# KiCad board mod-player.kicad_pcb
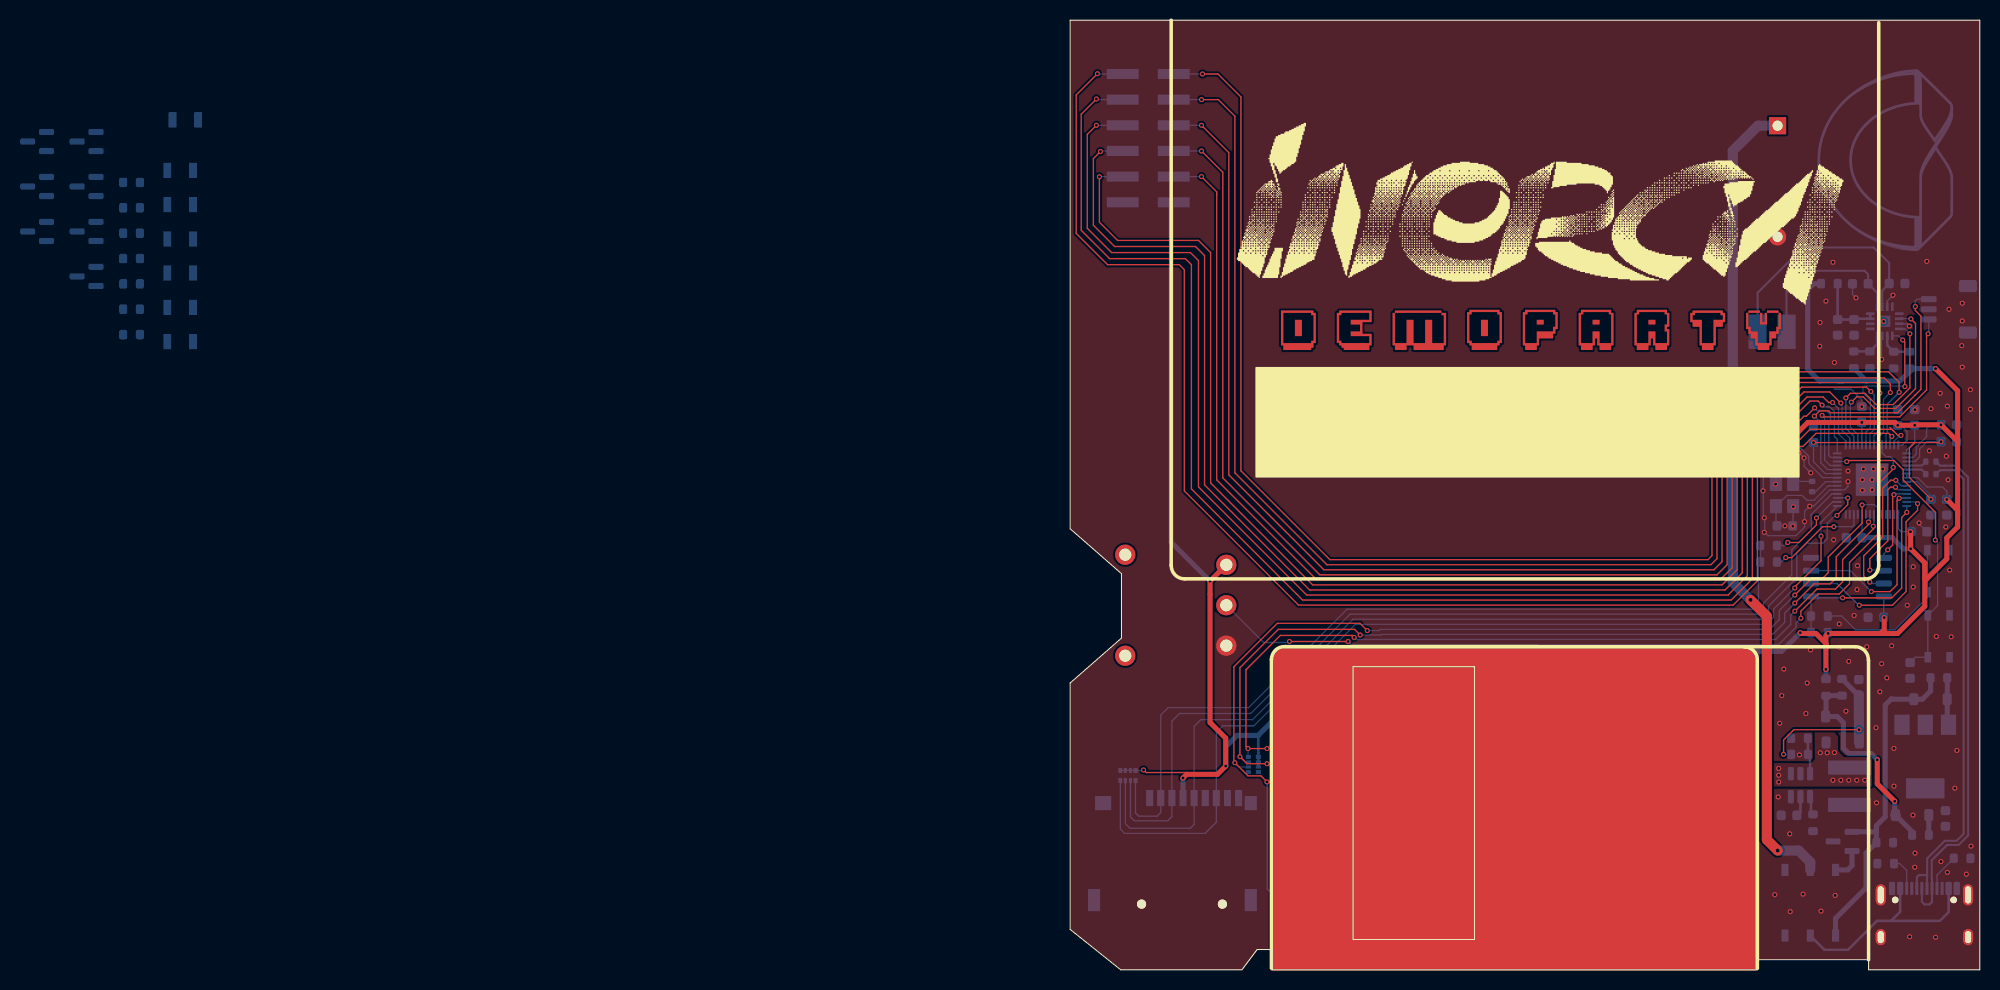
[diagram p0: board, top side]
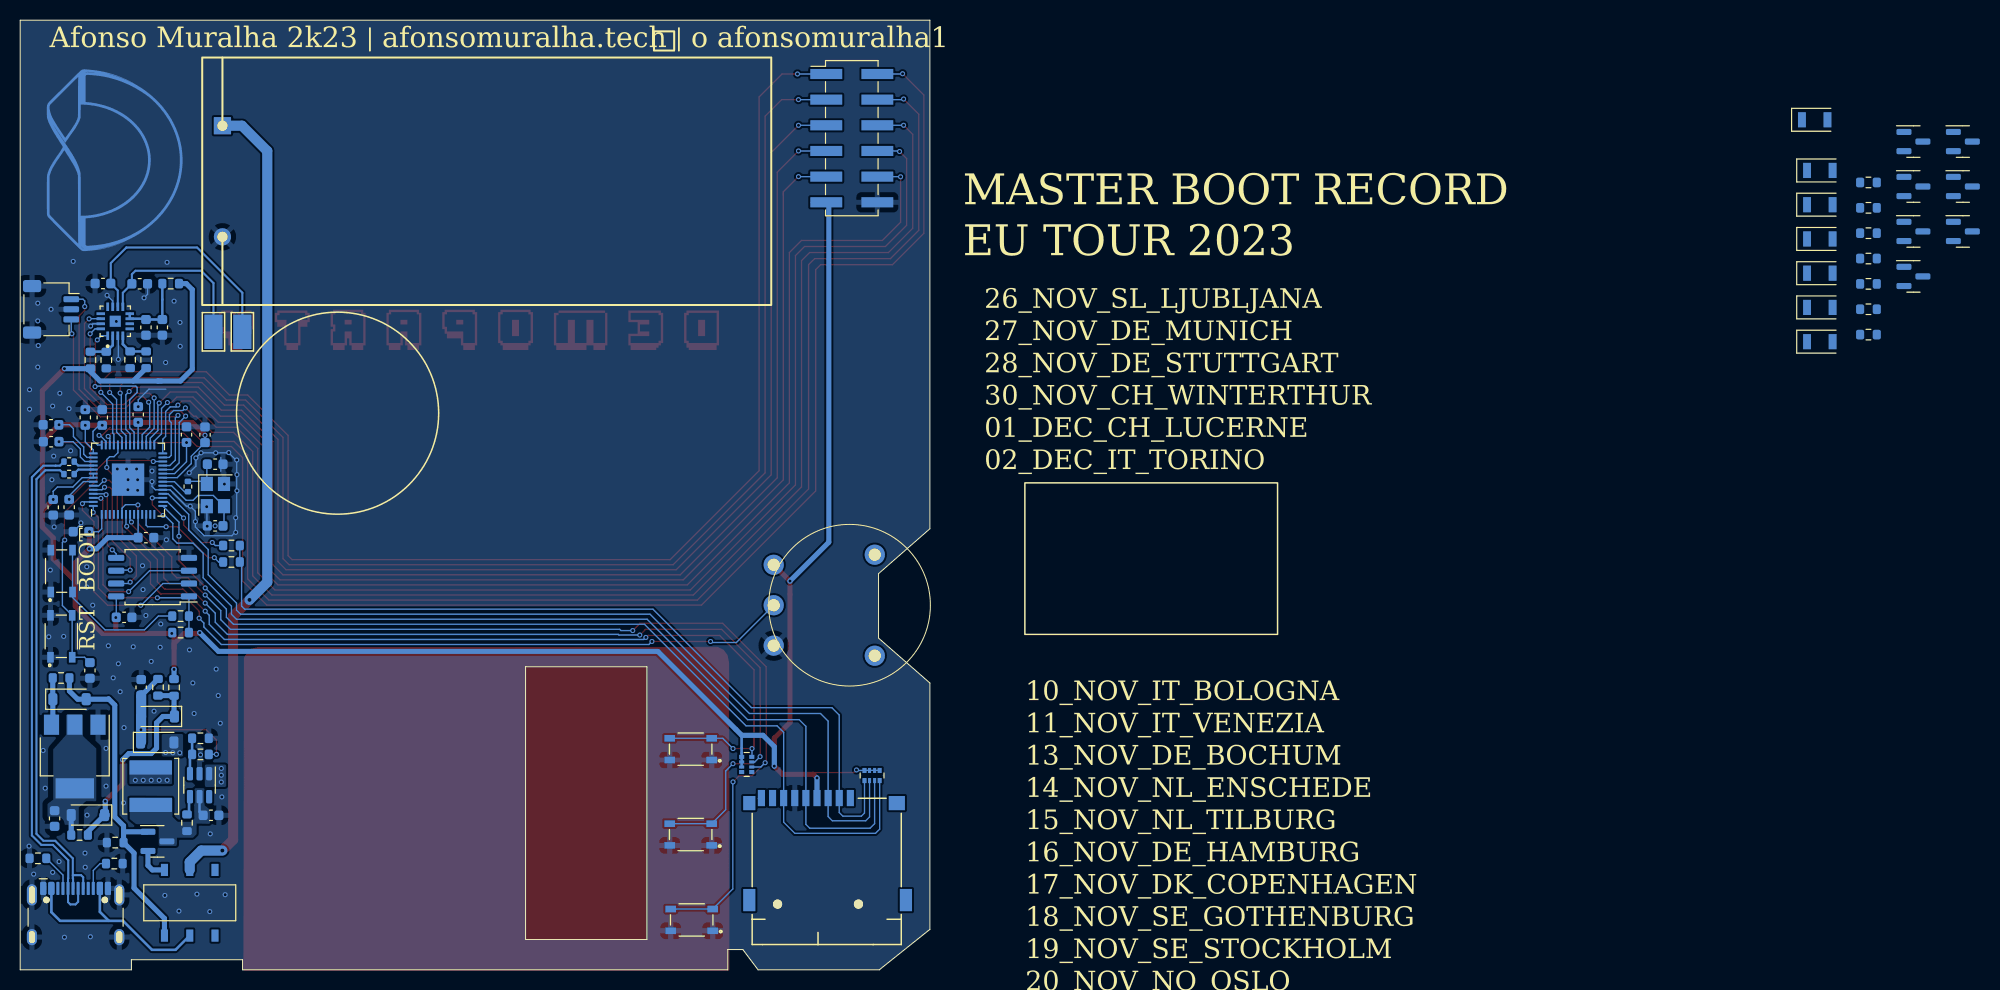
[diagram p1: board, bottom side, seen from below]

Outline 90 x 94 mm; copper layers: Top, In1.Cu, In2.Cu, Bottom. Coordinates in mm from the lower left corner of the outline.
Outline path: 0,43.66 0,94 90,94 90,0 79,0 79,1 68,1 68,0 20,0 20,2 18.5,2 17,0 5,0 0,4 0,28.39 5.08,32.84 5.08,39.21 0,43.66 ; 28,30 28,3 40,3 40,30 28,30
Stack: Top 0.035mm / dielectric 0.1mm FR4 er 4.5 / In1.Cu 0.035mm / dielectric 1.24mm FR4 er 4.5 / In2.Cu 0.035mm / dielectric 0.1mm FR4 er 4.5 / Bottom 0.035mm

## Placement (name value [footprint] x y rotation side)
BT1  Battery  [AAA-HOLDER-THD]  69.99 83.56 0 bottom
C1  28uF  [C_0603_1608Metric]  78.03 27.96 90 bottom
C2  28uF  [C_0603_1608Metric]  86.6 14.98 270 bottom
C3  100n  [C_0603_1608Metric]  85.16 45.8 270 bottom
C4  100n  [C_0603_1608Metric]  73.55 52.97 90 bottom
C5  1u  [C_0603_1608Metric]  86.94 52.28 0 bottom
C6  100n  [C_0603_1608Metric]  81.88 54.68 90 bottom
C7  100n  [C_0603_1608Metric]  83.56 54.68 90 bottom
C8  100n  [C_0603_1608Metric]  86.74 45.78 270 bottom
C9  100n  [C_0603_1608Metric]  77.56 42.78 180 bottom
C10  100n  [C_0603_1608Metric]  83.98 43.37 0 bottom
C11  100n  [C_0603_1608Metric]  71.72 52.96 90 bottom
C12  100n  [C_0603_1608Metric]  78.32 54.97 90 bottom
C13  1u  [C_0603_1608Metric]  86.95 53.95 0 bottom
C14  100n  [C_0603_1608Metric]  79.72 34.89 180 bottom
C15  27p  [C_0603_1608Metric]  70.72 43.94 180 bottom
C16  27p  [C_0603_1608Metric]  70.71 50.05 0 bottom
C17  100n  [C_0603_1608Metric]  83.1 29.63 270 bottom
C18  10u  [C_0603_1608Metric]  77.56 63.59 90 bottom
C19  100n  [C_0603_1608Metric]  75.94 63.59 90 bottom
C20  220p  [C_0603_1608Metric]  78.18 67.91 0 bottom
C21  220p  [C_0603_1608Metric]  81.82 67.94 180 bottom
C22  28uF  [C_0603_1608Metric]  71.12 15.29 180 bottom
D1  D_Schottky  [D_SOD-123]  76.44 22.5 180 bottom
D2  D_Schottky  [D_SOD-123]  83.31 15.32 0 bottom
D3  D_Schottky  [D_SOD-123]  76.39 25.08 0 bottom
D4  LED  [1206_reverse_xinglight]  -87.54 84.14 180 bottom
D5  LED  [1206_reverse_xinglight]  -88.05 79.13 180 bottom
D6  LED  [1206_reverse_xinglight]  -88.05 75.74 180 bottom
D7  LED  [1206_reverse_xinglight]  -88.05 72.35 180 bottom
D8  LED  [1206_reverse_xinglight]  -88.05 68.96 180 bottom
D9  LED  [1206_reverse_xinglight]  -88.05 65.57 180 bottom
D10  LED  [1206_reverse_xinglight]  -88.05 62.18 180 bottom
D15  D_Schottky  [D_SOD-123]  85.12 26.78 180 bottom
G***  LOGO  [mbr7]  -44.9 148.57 0 top
G***#2  LOGO  [inercia_full1]  47.6 74.3 0 top
J1  USB_C_Receptacle_USB2.0  [USB_C_Receptacle_HCTL_HC-TYPE-C-16P-01A]  84.52 4.31 180 bottom
J2  Micro_SD_Card_Det1  [J_sd_micro_socket]  11.08 9.98 0 bottom
J3  Conn_01x03_MountingPin  [JST_SH_SM03B-SRSS-TB_1x03-1MP_P1.00mm_Horizontal]  86.95 65.38 270 bottom
J4  Conn_01x01_Pin  [TestPoint_Keystone_5015_Micro-Minature]  70.88 63.16 90 bottom
J5  Conn_01x01_Pin  [TestPoint_Keystone_5015_Micro-Minature]  68.02 63.16 90 bottom
J7  Conn_02x06_Odd_Even  [PinHeader_2x06_P2.54mm_Vertical_SMD]  7.72 82.33 180 bottom
L1  22uH  [L_Changjiang_FNR5040S]  77.09 18.17 90 bottom
Q1  NMOS  [SOT-23]  -97.31 81.99 180 bottom
Q2  AO3401A  [SOT-23]  76.42 12.71 180 bottom
Q3  NMOS  [SOT-23]  -97.31 77.54 180 bottom
Q4  NMOS  [SOT-23]  -97.31 73.09 180 bottom
Q5  NMOS  [SOT-23]  -97.31 68.64 180 bottom
Q6  NMOS  [SOT-23]  -102.2 81.99 180 bottom
Q7  NMOS  [SOT-23]  -102.2 77.54 180 bottom
Q8  NMOS  [SOT-23]  -102.2 73.09 180 bottom
R1  11.5k  [R_0603_1608Metric]  72.17 21.32 0 bottom
R2  2.55k  [R_0603_1608Metric]  72.17 22.92 180 bottom
R3  R  [R_0603_1608Metric]  73.5 14.56 90 bottom
R5  10k  [R_0603_1608Metric]  80.6 12.59 0 bottom
R6  5.1k  [R_0603_1608Metric]  80.69 10.51 180 bottom
R7  5.1k  [R_0603_1608Metric]  88.25 11.04 0 bottom
R8  DNI  [R_0603_1608Metric]  74.13 33.38 180 bottom
R9  1k  [R_0603_1608Metric]  74.13 35.01 180 bottom
R10  1k  [R_0402_1005Metric]  73.41 47.84 270 bottom
R11  27.4  [R_0402_1005Metric]  85.16 49.07 180 bottom
R12  27.4  [R_0402_1005Metric]  85.16 50.3 180 bottom
R13  DNI  [R_0603_1608Metric]  69.1 40.37 180 bottom
R14  DNI  [R_0603_1608Metric]  69.1 42 180 bottom
R18  0  [R_0603_1608Metric]  76.37 27.97 270 bottom
R19  0  [R_0603_1608Metric]  79.13 60.39 90 bottom
R20  0  [R_0603_1608Metric]  84.13 13.34 180 bottom
R21  1M  [R_0603_1608Metric]  77.54 60.39 90 bottom
R22  0  [R_0603_1608Metric]  83.05 60.36 90 bottom
R23  0  [R_0603_1608Metric]  81.48 60.36 90 bottom
R24  0  [R_0603_1608Metric]  74.78 27.95 90 bottom
R25  1k  [R_0603_1608Metric]  -92.86 77.94 180 bottom
R26  1k  [R_0603_1608Metric]  -92.86 75.43 180 bottom
R27  1k  [R_0603_1608Metric]  -92.86 72.92 180 bottom
R28  1k  [R_0603_1608Metric]  -92.86 70.41 180 bottom
R29  1k  [R_0603_1608Metric]  -92.86 67.9 180 bottom
R30  1k  [R_0603_1608Metric]  -92.86 65.39 180 bottom
R31  1k  [R_0603_1608Metric]  -92.86 62.88 180 bottom
R33  0  [R_0603_1608Metric]  85.96 28.89 0 bottom
R53  0  [R_0603_1608Metric]  75.11 67.93 180 bottom
REF**  -  [demoparty2_sm]  46.4 64.2 0 top
REF**#2  -  [demoparty2_cu]  46.5 64.2 0 top
REF**#3  -  [id_logo1_sm]  81.8 80 180 bottom
REF**#4  -  [id_logo1_cu]  82.03 80.5 180 bottom
RN1  4x1k  [R_Array_Convex_4x0402]  5.72 19.23 270 bottom
RN2  R_Pack04_Split  [R_Array_Convex_4x0402]  18.12 20.33 180 bottom
RV1  R_Potentiometer  [gear-dial-pot-3pin]  7.95 36.09 270 bottom
SW2  SW_MEC_5E  [SW_SKRPACE010]  85.93 33.01 90 bottom
SW3  SW_MEC_5E  [SW_SKRPACE010]  85.9 39.47 90 bottom
SW4  SW_MEC_5E  [SW_SKRPACE010]  23.57 4.94 0 bottom
SW5  SW_MEC_5E  [SW_SKRPACE010]  23.67 21.84 0 bottom
SW6  SW_MEC_5E  [SW_SKRPACE010]  23.67 13.39 0 bottom
SW7  SW_Push_DPDT  [SS-3235S-L2]  73.23 6.63 0 bottom
U1  RP2040  [QFN-56-1EP_7x7mm_P0.4mm_EP3.2x3.2mm]  79.33 48.52 90 bottom
U2  MT3608  [SOT-23-6]  72.26 18.27 270 bottom
U3  AMS1117-3.3  [SOT-223-3_TabPin2]  84.6 21.11 270 bottom
U4  W25Q32JVSS  [SOIC-8_5.23x5.23mm_P1.27mm]  76.9 38.87 0 bottom
U5  MAX98357AETE_T  [QFN50P300X300X80-17N]  80.6 64.2 90 bottom
Y1  12MHZ  [Crystal_SMD_3225-4Pin_3.2x2.5mm]  70.69 46.99 270 bottom

## Library data of the parts
BT1 = -: Description: Multiple-cell battery
C1-C22 = -: Description: Unpolarized capacitor, small symbol
D1-D3 D15 = -: Description: Schottky diode
D4-D10 = -: Description: Light emitting diode
J1 = -: Description: USB 2.0-only Type-C Receptacle connector
J2 = -: Description: Micro SD Card Socket with one card detection pin
J3 = -: Description: Generic connectable mounting pin connector, single row, 01x03, script generated (kicad-library-utils/schlib/autogen/connector/)
J4 J5 = -: Description: Generic connector, single row, 01x01, script generated
J7 = -: Description: Generic connector, double row, 02x06, odd/even pin numbering scheme (row 1 odd numbers, row 2 even numbers), script generated (kicad-library-utils/schlib/autogen/connector/)
L1 = -: Description: Inductor
Q1 Q3-Q8 = -: Description: N-MOSFET transistor, drain/source/gate; Sim.Pins: 1=D 2=G 3=S; Sim.Type: VDMOS
Q2 = -: Description: -4.0A Id, -30V Vds, P-Channel MOSFET, SOT-23
R1-R3 R5-R14 R18-R31 R33 R53 = -: Description: Resistor
RN1 = -: Description: 4 resistor network, parallel topology
RN2 = -: Description: 4 resistor network, parallel topology, split
RV1 = -: Description: Potentiometer
SW2-SW6 = -: Description: MEC 5E single pole normally-open tactile switch
SW7 = -: Description: Momentary Switch, dual pole double throw
U1 = -: Description: A microcontroller by Raspberry Pi
U2 = -: Description: High Efficiency 1.2MHz 2A Step Up Converter, 2-24V Vin, 28V Vout, 4A current limit, 1.2MHz, SOT23-6
U3 = -: Description: 1A Low Dropout regulator, positive, 3.3V fixed output, SOT-223
U4 = -: Description: 32Mb Serial Flash Memory, Standard/Dual/Quad SPI, SOIC-8
U5 = -: Description: Tiny, Low-Cost, PCM Class D Amplifier with Class AB Performance; Availability: In Stock; Check_prices: https://www.snapeda.com/parts/MAX98357AETE+T/Analog+Devices/view-part/?ref=eda; MF: Analog Devices; MP: MAX98357AETE+T; Package: TQFN-16 Maxim; Price: None; Purchase-URL: https://www.snapeda.com/api/url_track_click_mouser/?unipart_id=48842&manufacturer=Analog Devices&part_name=MAX98357AETE+T&search_term=max98357; SnapEDA_Link: https://www.snapeda.com/parts/MAX98357AETE+T/Analog+Devices/view-part/?ref=snap
Y1 = -: Description: Four pin crystal, GND on pins 2 and 4, small symbol

## Footprints (pads in the part's own frame, mm; a bottom-side part is the same pattern mirrored in y, then rotated)
1206_reverse_xinglight
  rect 0.78x1.5 smd: 1(-1.265,0) 2(1.265,0)
AAA-HOLDER-THD
  rect 1.7x1.7 hole 1: 1(0,0)
  round 1.7 hole 1: 2(0,11)
C_0603_1608Metric
  rrect 0.9x0.95 smd: 1(-0.775,0) 2(0.775,0)
Crystal_SMD_3225-4Pin_3.2x2.5mm
  rect 1.4x1.2 smd: 1(-1.1,-0.85) 2(1.1,-0.85) 3(1.1,0.85) 4(-1.1,0.85)
D_SOD-123
  rrect 0.9x1.2 smd: 1(-1.65,0) 2(1.65,0)
gear-dial-pot-3pin
  round 2 hole 1.2: (-5,2.5) (5,2.5) 1(-4,-7.5) 2(0,-7.5) 3(4,-7.5)
J_sd_micro_socket
  round 0.9 hole 0.9 unplated: (-4.015,3.478) (3.985,3.478)
  rect 0.7x1.6 smd: 1(-3.215,-7.022) 2(-2.115,-7.022) 3(-1.015,-7.022) 4(0.085,-7.022) 5(1.185,-7.022) 6(2.285,-7.022) 7(3.385,-7.022) 8(4.485,-7.022) 9(5.585,-7.022)
  rect 1.2x2.2 smd: SH(-8.715,3.078) SH(6.785,3.078)
  rect 1.6x1.4 smd: SH(-7.815,-6.522)
  rect 1.2x1.4 smd: SH(6.785,-6.522)
JST_SH_SM03B-SRSS-TB_1x03-1MP_P1.00mm_Horizontal
  rrect 0.6x1.55 smd: 1(-1,2) 2(0,2) 3(1,2)
  rrect 1.2x1.8 smd: MP(-2.3,-1.875) MP(2.3,-1.875)
L_Changjiang_FNR5040S
  rect 1.4x4.2 smd: 1(-1.85,0) 2(1.85,0)
PinHeader_2x06_P2.54mm_Vertical_SMD
  rect 3.15x1 smd: 1(-2.525,6.35) 2(2.525,6.35) 3(-2.525,3.81) 4(2.525,3.81) 5(-2.525,1.27) 6(2.525,1.27) 7(-2.525,-1.27) 8(2.525,-1.27) 9(-2.525,-3.81) 10(2.525,-3.81) 11(-2.525,-6.35) 12(2.525,-6.35)
QFN50P300X300X80-17N
  rrect 0.84x0.27 smd: 1(-1.435,0.75) 2(-1.435,0.25) 3(-1.435,-0.25) 4(-1.435,-0.75) 9(1.435,-0.75) 10(1.435,-0.25) 11(1.435,0.25) 12(1.435,0.75)
  rrect 0.27x0.84 smd: 5(-0.75,-1.435) 6(-0.25,-1.435) 7(0.25,-1.435) 8(0.75,-1.435) 13(0.75,1.435) 14(0.25,1.435) 15(-0.25,1.435) 16(-0.75,1.435)
  rect 1.1x1.1 smd: 17(0,0)
QFN-56-1EP_7x7mm_P0.4mm_EP3.2x3.2mm
  rrect 1.29x1.29 smd: (-0.8,-0.8) (-0.8,0.8) (0.8,-0.8) (0.8,0.8)
  rrect 0.875x0.2 smd: 1(-3.438,2.6) 2(-3.438,2.2) 3(-3.438,1.8) 4(-3.438,1.4) 5(-3.438,1) 6(-3.438,0.6) 7(-3.438,0.2) 8(-3.438,-0.2) 9(-3.438,-0.6) 10(-3.438,-1) 11(-3.438,-1.4) 12(-3.438,-1.8) 13(-3.438,-2.2) 14(-3.438,-2.6) 29(3.438,-2.6) 30(3.438,-2.2) 31(3.438,-1.8) 32(3.438,-1.4) 33(3.438,-1) 34(3.438,-0.6) 35(3.438,-0.2) 36(3.438,0.2) 37(3.438,0.6) 38(3.438,1) 39(3.438,1.4) 40(3.438,1.8) 41(3.438,2.2) 42(3.438,2.6)
  rrect 0.2x0.875 smd: 15(-2.6,-3.438) 16(-2.2,-3.438) 17(-1.8,-3.438) 18(-1.4,-3.438) 19(-1,-3.438) 20(-0.6,-3.438) 21(-0.2,-3.438) 22(0.2,-3.438) 23(0.6,-3.438) 24(1,-3.438) 25(1.4,-3.438) 26(1.8,-3.438) 27(2.2,-3.438) 28(2.6,-3.438) 43(2.6,3.438) 44(2.2,3.438) 45(1.8,3.438) 46(1.4,3.438) 47(1,3.438) 48(0.6,3.438) 49(0.2,3.438) 50(-0.2,3.438) 51(-0.6,3.438) 52(-1,3.438) 53(-1.4,3.438) 54(-1.8,3.438) 55(-2.2,3.438) 56(-2.6,3.438)
  rect 3.2x3.2 smd: 57(0,0)
R_0402_1005Metric
  rrect 0.54x0.64 smd: 1(-0.51,0) 2(0.51,0)
R_0603_1608Metric
  rrect 0.8x0.95 smd: 1(-0.825,0) 2(0.825,0)
R_Array_Convex_4x0402
  rect 0.5x0.4 smd: 1(-0.5,0.75) 4(-0.5,-0.75) 5(0.5,-0.75) 8(0.5,0.75)
  rect 0.5x0.3 smd: 2(-0.5,0.25) 3(-0.5,-0.25) 6(0.5,-0.25) 7(0.5,0.25)
SOIC-8_5.23x5.23mm_P1.27mm
  rrect 1.6x0.6 smd: 1(-3.6,1.905) 2(-3.6,0.635) 3(-3.6,-0.635) 4(-3.6,-1.905) 5(3.6,-1.905) 6(3.6,-0.635) 7(3.6,0.635) 8(3.6,1.905)
SOT-23
  rrect 1.475x0.6 smd: 1(-0.938,0.95) 2(-0.938,-0.95) 3(0.938,0)
SOT-23-6
  rrect 1.325x0.6 smd: 1(-1.137,0.95) 2(-1.137,0) 3(-1.137,-0.95) 4(1.137,-0.95) 5(1.137,0) 6(1.137,0.95)
SOT-223-3_TabPin2
  rect 2x1.5 smd: 1(-3.15,2.3) 2(-3.15,0) 3(-3.15,-2.3)
  rect 2x3.8 smd: 2(3.15,0)
SS-3235S-L2
  rect 0.7x1.2 smd: 1(-2.5,3.25) 2(0,3.25) 3(2.5,3.25) 4(-2.5,-3.25) 5(0,-3.25) 6(2.5,-3.25)
SW_SKRPACE010
  rect 1.05x0.65 smd: 1(-2.075,1.075) 2(2.075,1.075) 3(-2.075,-1.075) 4(2.075,-1.075)
TestPoint_Keystone_5015_Micro-Minature
  rect 3.4x1.8 smd: 1(0,0)
USB_C_Receptacle_HCTL_HC-TYPE-C-16P-01A
  round 0.65 hole 0.65 unplated: (-2.89,2.605) (2.89,2.605)
  rrect 0.6x1.3 smd: A1(-3.2,3.745) A4(-2.4,3.745) A9(2.4,3.745) A12(3.2,3.745) B1(3.2,3.745) B4(2.4,3.745) B9(-2.4,3.745) B12(-3.2,3.745)
  rrect 0.3x1.3 smd: A5(-1.25,3.745) A6(-0.25,3.745) A7(0.25,3.745) A8(1.25,3.745) B5(1.75,3.745) B6(0.75,3.745) B7(-0.75,3.745) B8(-1.75,3.745)
  oval 1x1.6 hole 0.6x1.2: S1(-4.32,-1.075) S1(4.32,-1.075)
  oval 1x2.1 hole 0.6x1.7: S1(-4.32,3.105) S1(4.32,3.105)

## Nets
+1V1: C3.1 C4.1 C5.1 U1.23 U1.45 U1.50
+3V3: C6.1 C7.1 C8.1 C9.1 C10.1 C11.1 C12.1 C13.1 C14.1 J2.4 J7.11 R8.1 R21.1 R22.1 R24.2 R25.1 R26.1 R27.1 R28.1 R29.1 R30.1 R31.1 R53.2 RN1.1 RN1.2 RN1.3 RN1.4 RN2.1 RN2.2 RN2.3 RV1.1 U1.1 U1.10 U1.22 U1.33 U1.42 U1.43 U1.44 U1.48 U1.49 U4.8
+5V: D15.1 R33.2 U3.3
/3v3_boost: C1.1 D1.1 D3.2 R1.1 R18.1
/3v3_ldo: C2.1 D2.2 R20.1 U3.2
/VBAT_IN: BT1.1 SW7.5
/VBUS_IN: J1.A4 J1.A9 J1.B4 J1.B9 SW7.2
GND: BT1.2 C1.2 C2.2 C3.2 C4.2 C5.2 C6.2 C7.2 C8.2 C9.2 C10.2 C11.2 C12.2 C13.2 C14.2 C15.1 C16.1 C17.2 C18.1 C19.1 C20.1 C21.1 C22.2 J1.A1 J1.A12 J1.B1 J1.B12 J1.S1 J2.6 J3.2 J3.MP J7.12 Q1.3 Q3.3 Q4.3 Q5.3 Q6.3 Q7.3 Q8.3 R2.2 R5.2 R6.2 R7.2 R19.1 R23.1 RV1.3 SW2.1 SW2.2 SW3.1 SW3.2 SW4.1 SW4.2 SW5.1 SW5.2 SW6.1 SW6.2 U1.19 U1.57 U2.2 U3.1 U4.4 U5.3 U5.11 U5.15 Y1.2 Y1.4
VBUS: D15.2 Q2.1 R5.1 R33.1 SW7.3
+BATT: Q2.2 SW7.6
/GAIN: R22.2 R23.2 U5.2
/GP16: J7.6 U1.27
/GP17: J7.8 U1.28
/GP18: J7.10 U1.29
/GP19: J7.9 U1.30
/GP23: J7.7 U1.35
/GP24: J7.5 U1.36
/GP25: J7.3 U1.37
/GP27: J7.1 U1.39
/GP28: J7.2 U1.40
/GP29: J7.4 U1.41
/I2S_BCLK: U1.31 U5.16
/I2S_DIN: U1.34 U5.1
/I2S_LRC: U1.32 U5.14
/MCU_SWCLK: J3.1 U1.24
/MCU_SWD: J3.3 U1.25
/QSPI_SCLK: U1.52 U4.6
/QSPI_SD0: U1.53 U4.5
/QSPI_SD1: U1.55 U4.2
/QSPI_SD2: U1.54 U4.3
/QSPI_SD3: U1.51 U4.7
/QSPI_SS: R8.2 R9.2 U1.56 U4.1
/RUN: C17.1 SW2.3 SW2.4 U1.26
/SD_DET: J2.9
/SD_MODE: R19.2 R21.2 U5.4
/SPI_1_CS: J2.2 R13.2 R14.2 RN1.5
/SPI_1_MISO: J2.7 RN1.8 U1.15
/SPI_1_MOSI: J2.3 RN1.6 U1.18
/SPI_1_SCK: J2.5 RN1.7 U1.17
/SPK_OUT_N: C21.2 J5.1 U5.10
/SPK_OUT_P: C20.2 J4.1 U5.9
/SW1: RN2.6 SW4.3 SW4.4 U1.6
/SW2: RN2.8 SW5.3 SW5.4 U1.7
/SW3: RN2.7 SW6.3 SW6.4 U1.8
/SW4: U1.9
/USB_D_N: J1.A7 J1.B7 R12.1
/USB_D_P: J1.A6 J1.B6 R11.1
/WS_DIN: U1.5
/~{USB_BOOT}: R9.1 SW3.3 SW3.4
Net-(C16-Pad2): C16.2 R10.1 Y1.1
Net-(C18-Pad2): C18.2 C19.2 R53.1 U5.7 U5.8
Net-(D1-A): D1.2 L1.2 U2.1
Net-(D2-K): D2.1 D3.1 R18.2 R20.2 R24.1
Net-(D4-A): D4.2 R25.2
Net-(D4-K): D4.1 Q1.1
Net-(D5-A): D5.2 R26.2
Net-(D5-K): D5.1 Q3.1
Net-(D6-A): D6.2 R27.2
Net-(D6-K): D6.1 Q4.1
Net-(D7-A): D7.2 R28.2
Net-(D7-K): D7.1 Q5.1
Net-(D8-A): D8.2 R29.2
Net-(D8-K): D8.1 Q6.1
Net-(D9-A): D9.2 R30.2
Net-(D9-K): D9.1 Q7.1
Net-(D10-A): D10.2 R31.2
Net-(D10-K): D10.1 Q8.1
Net-(J1-CC1): J1.A5 R7.1
Net-(J1-CC2): J1.B5 R6.1
Net-(Q2-D): C22.1 L1.1 Q2.3 R3.1 U2.5
Net-(U1-GPIO9): R13.1 U1.12
Net-(U1-GPIO13): R14.1 U1.16
Net-(U1-GPIO26_ADC0): RV1.2 U1.38
Net-(U1-USB_DM): R12.2 U1.46
Net-(U1-USB_DP): R11.2 U1.47
Net-(U1-XIN): C15.2 U1.20 Y1.3
Net-(U1-XOUT): R10.2 U1.21
Net-(U2-EN): R3.2 U2.4
Net-(U2-FB): R1.2 R2.1 U2.3

Pads without a net: J1 A8 B8; J2 1 8 SH; Q1 2; Q3 2; Q4 2; Q5 2; Q6 2; Q7 2; Q8 2; RN2 4 5; SW7 1 4; U1 2 3 4 11 13 14; U2 6; U5 5 6 12 13 17

## Via types
v1: diameter 0.5, hole 0.3, Top to Bottom, 207 vias
v2: diameter 0.7, hole 0.4, Top to Bottom, 2 vias

## Routing (per net, layer and track width the routed paths; a pad name or vN(x,y) marks a point on that pad's centre or on a via; arc(x,y) is an arc through that point)
+1V1: length 32.1
  Top w0.127: v1(86.17,52.28) 86.08,52.19 83.59,52.19 ; v1(73.55,52.19) 83.59,52.19 ; 83.59,52.19 83.03,51.63 83.03,48.74 85.16,46.61 v1(85.16,46.57)
  Bottom w0.127: U1.23 74.73,49.12 73.55,50.3 v1(73.55,52.19) C4.1 ; v1(86.17,52.28) 84.77,52.28 84.05,51.56 84.05,50.77 83.6,50.32 U1.45 ; U1.50 83.15,48.32 83.16,48.33 83.74,48.33 85.16,46.92 v1(85.16,46.57)
+3V3: length 286.6
  Top w0.127: 11.53,19.35 11.53,19.53 7.52,19.53 v1(7.26,19.78) ; 83.49,34.92 84.56,35.99 84.56,37.92 ; 84.56,38.68 84.56,37.92 ; 84.56,37.92 84.56,40.28
  Top w0.5: 74.78,31.85 74.78,32.3 73.79,33.29 72.31,33.29 v1(72.24,33.37) ; 74.78,31.85 v1(74.78,29.74) ; 74.78,31.85 74.78,33.07 v1(75.01,33.29) 80.19,33.29 ; 84.56,40.28 84.56,35.99 81.86,33.29 80.19,33.29 ; 84.56,40.28 v1(83.16,41.68) 83.16,43.35 v1(83.14,43.37) ; 84.56,40.28 84.56,38.68 84.73,38.68 86.74,40.68 86.74,42.76 87.81,43.84 87.81,45 ; 87.81,45 87.81,45.48 v1(86.74,46.56) ; 87.81,45 87.81,52.3 ; 80.19,33.29 80.54,33.65 v1(80.54,34.87) ; v1(11.17,18.99) 11.53,19.35 14.58,19.35 v1(15.39,20.16) 15.39,22.93 13.84,24.48 v1(13.84,38.48) RV1.1 ; 87.81,52.3 87.81,57.32 v1(85.62,59.51) ; 87.81,52.3 v1(86.16,53.95) 83.61,53.95 v1(83.56,53.9) v1(81.88,53.9) 81.6,54.19 v1(78.33,54.19) 78.33,54.18 72.99,54.18 v1(71.72,52.91)
  Bottom w0.127: C9.1 78.34,45.08 U1.10 ; v1(83.56,53.9) 83.56,52.26 82.77,51.47 U1.43 ; U1.44 83.39,50.72 83.72,51.05 83.72,51.76 84.73,52.78 84.73,53.56 85.12,53.95 v1(86.16,53.95) C13.1 ; v1(83.14,43.37) C10.1 82.26,43.37 82.25,43.35 81.93,43.66 U1.1 ; 4.96,19.74 6.46,19.74 ; v1(86.74,46.56) 86.74,47.36 86.74,47.37 86.31,47.8 84.79,47.8 83.87,48.72 U1.49 U1.48 ; C12.1 v1(78.33,54.19) U1.33 ; v1(71.72,52.91) C11.1 71.72,52.19 73.08,50.83 73.08,50.11 74.47,48.72 U1.22 ; 80.53,34.92 C14.1 80.5,36.96 U4.8 ; v1(7.26,19.78) 7.21,19.73 RN1.4 ; U1.42 82.35,51.95 82.8,52.4 82.8,53.3 82.2,53.9 v1(81.88,53.9)
  Bottom w0.25: RN2.1 RN2.2 RN2.3 ; 19.2,23.8 18.62,23.22 18.62,20.97
  Bottom w0.5: 78.81,58.29 82.12,58.29 83.05,59.22 R22.1 83.08,59.51 v1(85.62,59.51) ; 78.81,58.29 76.38,58.29 ; 78.81,58.29 R21.1 ; v1(74.78,29.74) 74.78,29.73 R24.2 ; v1(83.16,41.68) 82.45,41.68 81.35,42.78 C9.1 ; v1(15.39,20.16) 15.39,22.09 16.51,23.21 18.61,23.21 26.92,31.52 70.38,31.52 v1(72.24,33.37) ; R53.2 73.57,67.93 72.97,67.33 72.97,59.46 74.14,58.29 76.38,58.29 ; 76.38,58.29 76.02,58.29 ; v1(11.17,18.99) J2.4 ; v1(13.84,38.48) 10,42.32 10,75.72 J7.11 11.55,75.97
+5V: length 4.7
  Bottom w0.5: R33.2 86.78,26.79 D15.1 86.77,24.39 U3.3
/3v3_boost: length 17.2
  Top w0.127: v1(70.59,21.33) 70.59,22.75 71.6,23.77 v1(78.05,23.77)
  Bottom w0.127: 78.04,23.57 78.05,23.58 v1(78.05,23.77) ; v1(70.59,21.33) 71.34,21.33 R1.1
  Bottom w0.5: R18.1 77.98,27.18 C1.1
  Bottom w1: D3.2 78.04,22.55 ; C1.1 78.03,25.09
/3v3_ldo: length 2
  Bottom w0.5: R20.1 84.95,13.34 D2.2
/VBAT_IN: length 81
  Top w1: v2(67.32,36.62) 68.94,35 68.94,12.87 v2(70,11.81)
  Bottom w1: BT1.1 68.06,83.56 65.56,81.06 65.56,38.37 v2(67.32,36.62) ; SW7.5 73.23,10.66 72.09,11.81 v2(70,11.81)
/VBUS_IN: length 21.7
  Bottom w0.25: 81.23,4.85 79.83,4.85 76.96,1.98 74.64,1.98 SW7.2 ; 81.23,4.85 82.12,5.74 J1.A9 ; 81.23,4.85 86.06,4.85 86.92,5.71 J1.A4
GND: length 40.3
  Bottom w0.127: v1(73.28,49.19) 72.62,49.85 v1(72.62,50.67) v1(72.11,51.18) 69.37,51.18 68.58,50.39 68.58,44.85 v1(68.68,44.75) 68.72,44.72 68.72,43.32 69.06,42.97 71.81,42.97 72.67,43.84 v1(72.67,44.37) 72.67,45.38 v1(73.18,45.89) 73.56,45.89 75.18,47.52 U1.19 76.63,47.52 76.96,47.85 v1(76.96,48.33) ; v1(81.41,66.77) 80.85,66.21 U5.11 ; U5.15 82.81,63.95 v1(83.03,63.72) ; C10.2 84,44.13 v1(84,44.24) ; v1(78.32,55.74) 78.32,56.42 77.27,57.47 75.59,57.47 ; v1(77.75,66.52) 77.4,66.86 C20.1 ; 71.13,45.89 71.53,45.5 71.53,44.23 71.24,43.94 ; v1(80.29,60.42) 80.29,62.71 U5.3 ; 70.15,50.72 70.15,49.35 ; v1(70.66,51.18) 70.61,51.18
  vias: v1(68.58,50.46) v1(68.55,49.02) v1(68.55,47.42) v1(68.68,43.3) v1(69.37,51.2) v1(69.72,7.44) v1(69.8,48.08) v1(70.05,17.11) v1(70.21,24.4) v1(70.41,27.15) v1(70.61,29.76) v1(70.72,43.94) v1(71.2,13.46) v1(71.25,5.76) v1(71.5,43.91) v1(71.55,45.84) v1(72.16,21.28) v1(72.52,7.49) v1(72.8,25.37) v1(72.92,28.39) v1(73.25,31.67) v1(74.19,64.08) v1(74.17,61.72) v1(74.3,5.81) v1(74.78,66.19) v1(75.47,70.03) v1(75.54,42.56) v1(75.62,60.12) v1(75.69,7.36) v1(76.1,34.23) v1(76.15,31.92) v1(76.76,25.6) v1(76.96,49.37) v1(77.04,30.53) v1(77.57,35.07) v1(77.9,40) v1(77.85,37.64) v1(78.38,48.51) v1(78.38,47.47) v1(78.49,49.58) v1(78.82,31.97) v1(79.33,48.52) v1(79.35,47.52) v1(79.48,49.58) v1(79.73,23.97) v1(79.78,16.53) v1(80.11,27.53) v1(80.29,30.3) v1(80.39,49.58) v1(80.8,28.9) v1(81.28,32.07) v1(81.51,21.91) v1(81.51,18.18) v1(82.83,36.09) v1(83.06,3.27) v1(83.41,39.9) v1(83.41,37.89) v1(83.39,15.31) v1(83.59,55.44) v1(83.59,11.55) v1(83.57,10.15) v1(84.76,70.12) v1(85.01,51.38) v1(85.17,55.54) v1(85.62,3.22) v1(85.7,33) v1(86.08,57.07) v1(86.16,10.71) v1(86.64,43.84) v1(86.69,50.85) v1(86.79,55.8) v1(86.79,9.65) v1(86.87,48.51) v1(86.95,65.38) v1(87.02,39.57) v1(87.17,32.96) v1(87.53,17.98) v1(87.73,21.71) v1(88.21,61.79) v1(88.27,65.98) v1(88.27,64.23) v1(88.27,59.66) v1(88.67,9.47) v1(89.08,57.42) v1(89.08,55.49) v1(89.13,12.24)
VBUS: length 33.7
  Bottom w0.5: SW7.3 75.73,5.09 78.74,8.1 78.74,11.56 R5.1 79.78,13.63 ; R33.1 85.13,27.6 84.32,26.78 D15.2 81.29,26.78 81.25,26.82 80.64,26.21 80.64,15.13 79.78,14.26 79.78,13.63 ; 79.78,13.63 79.75,13.66 Q2.1
+BATT: length 3.3
  Bottom w0.5: SW7.6 76.92,9.88 77.36,10.32 77.36,11.76
/GAIN: length 3.4
  Bottom w0.25: R22.2 R23.2 80.85,61.82 U5.2
/GP16: length 136.6
  Top w0.127: v1(2.6,83.6) 1.7,82.7 1.7,73.4 4.1,71 11.9,71 12.7,70.2 12.7,47.8 23.4,37.1 65.1,37.1 67,39 67,51.3 68.9,53.2 71,53.2 72.6,54.8 72.84,54.8 v1(73.66,55.62) 73.66,55.82
  Bottom w0.127: v1(73.66,55.62) 73.91,55.37 74.83,55.37 75.23,54.96 75.23,54.35 75.06,54.17 75.06,50.92 75.26,50.72 U1.27 ; v1(2.6,83.6) 2.6,83.59 6.5,83.59
/GP17: length 132.3
  Top w0.127: v1(3,81) 2.3,80.3 2.3,73.7 4.4,71.6 12.4,71.6 13.3,70.7 13.3,48 23.7,37.6 64.8,37.6 66.5,39.3 66.5,51.6 68.6,53.7 70.6,53.7 73.2,56.3 74,56.3 74.4,55.9 v1(74.4,55.9)
  Bottom w0.127: v1(74.4,55.9) 74.57,55.72 75.16,55.72 75.62,55.27 75.62,52.8 75.9,52.52 U1.28 ; 6.5,81.06 3.06,81.06 v1(3,81)
/GP18: length 128.7
  Top w0.127: v1(75.44,56.15) 75.05,56.15 74.5,56.7 72.9,56.7 70.4,54.2 68.35,54.2 66,51.85 66,39.6 64.5,38.1 24,38.1 13.9,48.2 13.9,71 12.7,72.2 4.7,72.2 2.9,74 v1(2.9,78.5)
  Bottom w0.127: v1(75.44,56.15) 76.02,55.57 76.02,53.06 76.73,52.34 U1.29 ; 6.5,78.52 2.92,78.52 v1(2.9,78.5)
/GP19: length 118
  Top w0.127: v1(76.25,56.1) 75.15,57.2 72.6,57.2 70.2,54.8 68.2,54.8 65.5,52.1 65.5,39.8 64.3,38.6 24.4,38.6 14.5,48.5 14.5,76.7 ; 14.5,76.7 14.5,76.9 ; 14.5,76.7 14.5,77.02 v1(13,78.52)
  Bottom w0.127: v1(76.25,56.1) 76.38,55.98 76.38,53.39 77.13,52.63 U1.30 ; v1(13,78.52) 11.55,78.52
/GP23: length 123.4
  Top w0.127: v1(79.22,57.25) 78.79,57.68 72.38,57.68 70.1,55.4 68.1,55.4 65,52.3 65,40.1 64,39.1 24.7,39.1 15.1,48.7 15.1,78.95 v1(13,81.06)
  Bottom w0.127: v1(79.22,57.25) 79.55,56.92 79.55,53.49 79.13,53.07 U1.35 ; v1(13,81.06) 11.55,81.06
/GP24: length 126.5
  Top w0.127: v1(13,83.59) 15.7,80.89 15.7,49 25.1,39.6 63.7,39.6 64.5,40.4 64.5,52.5 67.9,55.9 69.8,55.9 72.04,58.14 79.78,58.14 80.11,57.8 v1(80.11,57.09)
  Bottom w0.127: v1(13,83.59) 11.55,83.59 ; U1.36 79.53,52.88 79.99,53.34 79.99,56.98 v1(80.11,57.09)
/GP25: length 130.8
  Top w0.127: v1(13,86.14) 14.66,86.14 16.3,84.5 16.3,49.2 25.4,40.1 63.4,40.1 64,40.7 64,52.7 67.7,56.4 69.6,56.4 71.8,58.6 80.54,58.6 81.15,57.98 v1(81.15,57.14)
  Bottom w0.127: v1(13,86.14) 11.55,86.14 ; v1(81.15,57.14) 80.47,56.46 80.47,53.23 79.93,52.7 U1.37
/GP27: length 133.9
  Top w0.127: v1(82.02,57.16) 82.02,58.15 80.98,59.2 71.6,59.2 69.3,56.9 67.5,56.9 63.5,52.9 63.5,41 63.1,40.6 25.7,40.6 16.9,49.4 16.9,86.4 14.62,88.67 v1(13.1,88.67)
  Bottom w0.127: v1(82.02,57.16) 80.85,55.99 80.85,53.13 80.73,53.02 U1.39 ; v1(13.1,88.67) 11.55,88.67
/GP28: length 144.5
  Top w0.127: v1(81.3,52.8) 81,53.1 73.8,53.1 72.5,51.8 69.1,51.8 68,50.7 68,38.5 65.6,36.1 22.6,36.1 11.3,47.4 11.3,69.3 10.8,69.8 3.7,69.8 0.6,72.9 0.6,86.6 v1(2.7,88.7)
  Bottom w0.127: 6.5,88.67 2.73,88.67 v1(2.7,88.7) ; U1.40 81.13,52.63 v1(81.3,52.8)
/GP29: length 143.3
  Top w0.127: 81.5,53.3 81.9,52.9 v1(82.2,52.9) ; 81.5,53.3 81.3,53.5 73.2,53.5 72,52.3 71.4,52.3 ; 81.5,53.3 81.1,53.7 ; 71.4,52.3 68.84,52.3 67.5,50.96 67.5,38.7 65.4,36.6 23,36.6 12,47.6 12,69.8 11.4,70.4 3.9,70.4 1.1,73.2 1.1,84.7 v1(2.6,86.2) ; 71.4,52.3 71.2,52.3
  Bottom w0.127: U1.41 81.53,52.33 82.1,52.9 v1(82.2,52.9) ; v1(2.6,86.2) 2.67,86.14 6.5,86.14
/I2S_BCLK: length 19.7
  Top w0.127: v1(83.08,62.96) 83.08,57.6 81.43,55.95 79.76,55.95 78.64,57.07 77.21,57.07 v1(76.75,56.61)
  Bottom w0.127: v1(76.75,56.61) 76.75,53.6 77.53,52.81 U1.31 ; v1(83.08,62.96) 82.6,63.45 U5.16 82.5,63.45
/I2S_DIN: length 16.3
  Top w0.127: v1(82.59,57.74) 82.58,57.75 82.58,62.15 v1(82.37,62.35)
  Bottom w0.127: v1(82.59,57.74) 82.55,57.78 78.56,57.78 78.44,57.65 78.44,57.14 79.17,56.41 79.17,53.66 78.73,53.23 U1.34 ; U5.1 81.96,62.76 v1(82.37,62.35)
/I2S_LRC: length 20.7
  Top w0.127: v1(83.19,64.43) 83.64,63.98 83.64,57.53 81.69,55.57 79.6,55.57 78.46,56.71 77.82,56.71 v1(77.29,56.19)
  Bottom w0.127: 83.16,64.46 82.28,64.46 ; v1(77.29,56.19) 77.19,56.09 77.19,53.72 77.93,52.97 U1.32
  Bottom w0.25: U5.14 82.27,64.45 82.28,64.46
/MCU_SWCLK: length 29.1
  Top w0.127: 83.57,56.86 84.18,57.46 84.18,64.71 83.62,65.27 v1(83.62,65.65) ; 83.57,56.86 83.64,56.92 ; 83.57,56.86 81.85,55.14 75.25,55.14 75.06,55.32 74.15,55.32 v1(73.63,54.81)
  Bottom w0.127: v1(83.62,65.65) 83.62,66.21 83.79,66.38 J3.1 ; U1.24 74.94,49.52 74.27,50.19 74.27,54.17 v1(73.63,54.81)
/MCU_SWD: length 24.6
  Top w0.127: v1(84.89,62.96) 84.73,62.81 84.73,57.4 82.07,54.73 74.55,54.73 v1(74.4,54.88)
  Bottom w0.127: U1.25 75.2,49.92 74.65,50.46 74.65,54.63 v1(74.4,54.88) ; J3.3 84.95,63.03 v1(84.89,62.96)
/QSPI_SCLK: length 12.2
  Top w0.127: v1(79.12,39.57) 79.12,40.69 80.9,42.46 80.9,47.52 81.15,47.77 v1(81.66,47.77)
  Bottom w0.127: v1(81.66,47.77) 81.92,47.52 U1.52 ; v1(79.12,39.57) 80.44,39.57 U4.6
/QSPI_SD0: length 8
  Top w0.127: v1(80.9,41.57) 81.38,42.06 81.38,46.91 v1(81.51,47.03)
  Bottom w0.127: v1(80.9,41.57) 80.5,41.18 U4.5 ; v1(81.51,47.03) 81.59,47.12 U1.53
/QSPI_SD1: length 21.2
  Top w0.127: v1(83.85,46.15) 83.85,45.49 82.7,44.34 82.7,37.43 81.36,36.09 v1(78.08,36.09)
  Bottom w0.127: v1(83.85,46.15) 83.67,46.32 U1.55 ; U4.2 75.88,38.24 78.03,36.09 v1(78.08,36.09)
/QSPI_SD2: length 19.1
  Top w0.127: v1(79.27,37.43) 81.13,37.43 81.81,38.12 81.81,46.47 v1(82.02,46.68)
  Bottom w0.127: U1.54 82.06,46.72 v1(82.02,46.68) ; U4.3 77.2,39.51 v1(79.27,37.43)
/QSPI_SD3: length 14.7
  Top w0.127: v1(79.12,38.37) 78.51,38.98 78.51,40.96 80.39,42.84 80.39,47.67 81.18,48.46 v1(81.69,48.46)
  Bottom w0.127: U4.7 79.26,38.24 v1(79.12,38.37) ; U1.51 82.23,47.92 v1(81.69,48.46)
/QSPI_SS: length 21.4
  Top w0.127: v1(82.78,45.28) 82.27,44.77 82.27,37.79 81.31,36.82 v1(76.43,36.82)
  Bottom w0.127: v1(76.43,36.82) 73.45,36.82 U4.1 73.31,36.96 R9.2 R8.2 ; v1(82.78,45.28) 82.77,45.29 U1.56
/RUN: length 29.3
  Top w0.127: v1(76.83,50.31) 76.94,50.41 81.51,50.41 82.42,49.5 82.42,48.48 85.62,45.28 85.62,42.56 v1(85.6,42.54)
  Bottom w0.127: U1.26 76.83,50.32 v1(76.83,50.31) ; C17.1 83.63,30.94 SW2.3 SW2.4 85.83,36.06 85.83,42.31 v1(85.6,42.54)
/SD_DET: length 0
  Bottom w0.127: 16.97,16.94 16.98,16.94
/SD_MODE: length 3.4
  Bottom w0.25: R21.2 R19.2 79.85,61.93 U5.4
/SPI_1_CS: length 85.3
  Bottom w0.127: RN1.5 6.47,15.52 6.78,15.21 8.61,15.21 8.97,15.57 J2.2 8.97,25.22 9.7,25.95 17.65,25.95 27.4,35.7 67.8,35.7 68.1,36 68.1,40.19 R13.2 R14.2
/SPI_1_MISO: length 97.3
  Top w0.127: v1(71.7,37.8) 71.7,37.9 74.3,40.49 v1(74.3,42.92)
  Bottom w0.127: U1.15 74.3,44.32 v1(74.3,42.92) ; v1(71.7,37.8) 69.6,35.7 69.6,34.9 68.9,34.2 28.24,34.2 18.19,24.15 15.11,24.15 14.47,23.51 J2.7 14.47,14.62 13.36,13.51 5.38,13.51 4.97,13.92 RN1.8
/SPI_1_MOSI: length 95.4
  Bottom w0.127: RN1.6 5.97,15.13 6.35,14.75 9.65,14.75 10.07,15.17 J2.3 10.07,24.62 10.82,25.37 17.86,25.37 27.69,35.2 68.2,35.2 68.6,35.6 68.6,36.3 71.4,39.1 71.4,41.6 73.33,43.53 73.33,45.08 75.37,47.12 U1.18 75.88,47.14
/SPI_1_SCK: length 99.4
  Top w0.127: v1(75.87,44.98) 76.94,46.04 v1(76.94,46.71)
  Bottom w0.127: v1(76.94,46.71) 76.92,46.72 U1.17 ; RN1.7 5.47,14.46 5.92,14.02 11.89,14.02 12.27,14.4 J2.5 12.27,24.1 12.93,24.76 18.03,24.76 27.97,34.7 68.6,34.7 69.1,35.2 69.1,36 71.9,38.8 71.9,41.24 72.9,42.23 74.47,42.23 74.9,42.67 74.9,44.19 75.69,44.98 v1(75.87,44.98)
/SPK_OUT_N: length 24
  Bottom w0.2: 79.5,71.5 81.04,69.96 C21.2 80.35,67.24 U5.10 ; 79.5,71.5 72.5,71.5 68.02,67.02 J5.1 ; 79.5,71.5 79.48,71.48
/SPK_OUT_P: length 17.1
  Bottom w0.2: U5.9 79.85,67.02 C20.2 78.95,68.85 78.6,69.2 72.1,69.2 70.88,67.98 J4.1
/SW1: length 106.8
  Top w0.127: v1(78.36,46.01) 78.36,44.22 75.01,40.86 75.01,39.31 74.51,38.81 73.41,38.81 v1(71.7,37.1) ; v1(29.4,33.58) 28.68,34.3 20.5,34.3 16.2,30 16.2,20.6 v1(16.3,20.5) 17.6,19.2 18.88,19.2 v1(19.48,18.6)
  Bottom w0.127: v1(16.3,20.5) 16.73,20.08 RN2.6 ; SW4.4 SW4.3 21.49,6.01 19.5,8 19.5,18.58 v1(19.48,18.6) ; v1(71.7,37.1) 70.16,35.56 70.16,34.66 69.2,33.7 30.68,33.7 30.56,33.58 v1(29.4,33.58) ; v1(78.36,46.01) 78.36,46.04 79.58,46.04 79.93,45.69 U1.6
/SW2: length 88.9
  Top w0.127: v1(28.1,32.9) 27.9,33.1 20.8,33.1 17.4,29.7 17.4,22.1 v1(17.6,21.9) v1(19.48,21.9) ; v1(71.7,35.5) 73.89,37.69 75.72,37.69 76.43,38.4 76.43,40.61 79.46,43.64 v1(79.46,43.91)
  Bottom w0.127: RN2.8 17.6,21.1 v1(17.6,21.9) ; v1(71.7,35.5) 71.3,35.1 71.3,34.2 69.8,32.7 28.3,32.7 v1(28.1,32.9) ; U1.7 79.53,43.98 v1(79.46,43.91) 79.46,43.77 ; SW5.4 SW5.3 20.5,22.92 v1(19.48,21.9)
/SW3: length 95.1
  Top w0.127: v1(28.7,33.14) 28.14,33.7 20.6,33.7 16.8,29.9 v1(16.8,21.1) 17.5,20.4 v1(19.48,20.4) ; v1(71.7,36.3) 73.6,38.2 75.2,38.2 75.8,38.8 75.8,40.9 79,44.09 v1(79,44.32)
  Bottom w0.127: v1(71.7,36.3) 70.7,35.3 70.7,34.4 69.5,33.2 30.82,33.2 30.76,33.14 v1(28.7,33.14) ; v1(79,44.32) 79.13,44.46 U1.8 ; RN2.7 17.32,20.58 v1(16.8,21.1) ; v1(19.48,20.4) 20.2,19.68 20.2,15.86 SW6.3 SW6.4
/USB_D_N: length 50.6
  Bottom w0.2: 86.5,49.9 86.5,49.9 ; 86.5,49.9 86.07,49.9 R12.1 85.69,50.3 85.7,50.31 ; 86.5,49.9 87.7,49.9 88.85,48.75 88.85,13.3 87.91,12.36 86.77,12.36 85.25,10.84 85.25,9.06 85.27,9.03 J1.B7 85.27,6.7 85.04,6.47 84.53,6.47 84.27,6.73 J1.A7
/USB_D_P: length 48.3
  Bottom w0.2: J1.A6 84.77,9.03 84.8,9.06 84.8,9.37 ; J1.B6 83.77,9.17 83.97,9.37 84.8,9.37 ; 84.8,9.37 84.8,11.03 86.54,12.77 87.71,12.77 88.4,13.46 88.4,48.57 87.51,49.45 86.06,49.45 R11.1 85.82,49.07
/~{USB_BOOT}: length 16.4
  Bottom w0.127: SW3.4 SW3.3 84.82,36.86 81.61,33.65 77.7,33.65 76.33,35.02 74.97,35.02 R9.1
Net-(C16-Pad2): length 4
  Bottom w0.127: R10.1 71.79,48.35 Y1.1 71.54,50 C16.2
Net-(C18-Pad2): length 7.3
  Bottom w0.25: U5.8 U5.7 77.64,64.45 C18.2 C19.2 75.94,64.37 R53.1
Net-(D1-A): length 0.2
  Bottom w0.25: D1.2 74.82,22.5 ; 77.27,20.06 L1.2
  vias: v1(70.1,19.93) v1(70.1,19.26) v1(70.1,18.59) v1(74.22,21.48) v1(74.9,21.48) v1(75.46,18.77) v1(75.62,21.51) v1(76.25,18.77) v1(77.04,18.77) v1(77.83,18.77) v1(78.61,18.77)
Net-(D2-K): length 20.9
  Top w0.5: v1(81.58,16.68) 79.86,18.41 v1(79.86,20.8)
  Bottom w0.25: 74.74,27.28 74.76,27.3
  Bottom w0.5: R18.2 74.8,27.14 R24.1 74.78,25.12 D3.1 75.88,25.08 76.51,24.45 76.51,21.93 77.04,21.41 79.25,21.41 v1(79.86,20.8) ; R20.2 83.3,13.67 D2.1 81.58,15.39 v1(81.58,16.68)
  Bottom w1: 81.66,15.31 D2.1
Net-(J1-CC1): length 3.8
  Bottom w0.127: 87.55,10.63 87.29,10.9 85.77,9.38 J1.A5
Net-(J1-CC2): length 3.3
  Bottom w0.127: J1.B5 82.77,9.83 82.09,10.51 R6.1
Net-(Q2-D): length 2.3
  Bottom w0.25: C22.1 72.26,15.65 U2.5 72.26,17.44
Net-(U1-GPIO9): length 10.2
  Top w0.127: v1(75.56,43.86) 74.45,43.86 71.39,40.8 v1(70.8,40.8)
  Bottom w0.127: U1.12 77.55,45.07 77.55,44.01 77.39,43.86 v1(75.56,43.86) ; v1(70.8,40.8) 70.37,40.37 R13.1
Net-(U1-GPIO13): length 8.6
  Top w0.127: v1(71,42.3) 72.1,42.3 73.84,44.04 v1(73.84,44.72)
  Bottom w0.127: v1(73.84,44.72) 75.43,46.32 U1.16 75.46,46.32 ; R14.1 70.7,42 v1(71,42.3)
Net-(U1-GPIO26_ADC0): length 82.7
  Top w0.127: v1(81.43,49.73) 81.43,49.58 79.9,48.05 79.9,43.12 77.11,40.33 77.11,38.22 76.1,37.21 74.01,37.21 72.3,35.5 v1(72.3,34.8) ; v1(27.5,32.5) v1(21.7,32.5) ; 15.46,36.1 RV1.2
  Bottom w0.127: v1(72.3,34.8) 71.83,34.33 71.83,33.93 70.1,32.2 27.8,32.2 v1(27.5,32.5) ; v1(21.7,32.5) 21.6,32.4 19.14,32.4 RV1.2 ; v1(81.43,49.73) 81.43,50.52 81.15,50.79 80.72,50.79 80.33,51.18 U1.38
Net-(U1-USB_DM): length 2
  Bottom w0.2: R12.2 84.27,49.92 U1.46
Net-(U1-USB_DP): length 2.1
  Bottom w0.2: U1.47 84.25,49.52 84.7,49.07
Net-(U1-XIN): length 9.3
  Bottom w0.127: U1.20 75.02,47.92 73.58,46.48 72.9,46.48 72.42,46.96 70.9,46.96 Y1.3 69.84,44.05 C15.2
Net-(U1-XOUT): length 2.9
  Bottom w0.127: R10.2 73.75,47.33 74.74,48.32 U1.21
Net-(U2-EN): length 1.9
  Bottom w0.25: 73.3,15.27 73.3,17.05 U2.4
Net-(U2-FB): length 3.6
  Bottom w0.25: U2.3 73.21,21.11 R1.2 R2.1
unconnected-(U5-EP-Pad17):
  vias: v1(80.49,64.18)

## Copper pours and planes (outline as drawn; the poured copper is in the pictures)
/3v3_ldo on Bottom: 83.79,25.27 83.79,23.13 82.47,21.91 82.47,16.68 86.74,16.73 86.74,21.81 85.47,23.24 85.47,25.27
/3v3_ldo on Bottom: 83.44,16.73 84.2,16.07 84.2,14.35 85.57,14.35 86.18,14.96 87.3,14.96 87.3,16.43 86.74,16.83
GND on Top: 90.04,94.05 90.02,-0.01 78.97,-0.01 78.97,0.99 68.02,0.99 68.02,-0.03 19.96,-0.03 19.96,1.98 18.54,1.98 16.99,-0.03 5.03,-0.03 -0.03,4.01 0,94.03 89.84,94.03
GND on Bottom: 90.04,94.05 90.02,-0.01 78.97,-0.01 78.97,0.99 68.02,0.99 68.02,-0.03 19.96,-0.03 19.96,1.98 18.54,1.98 16.99,-0.03 5.03,-0.03 -0.03,4.01 0,94.03 89.84,94.03
Net-(D1-A) on Top: 79.32,18.13 69.62,18.13 69.6,20.47 73.28,20.44 73.69,20.85 73.66,23.52 75.62,23.52 75.97,23.08 75.97,21.66 76.56,21.05 79.32,21.05
Net-(D1-A) on Bottom: 71.73,20.31 71.73,18.1 69.62,18.1 69.62,20.31
Net-(D1-A) on Bottom: 76,23.34 76,21.13 73.89,21.13 73.89,23.34
Net-(D1-A) on Bottom: 79.2,20.72 79.2,18.38 74.98,18.38 74.98,20.72
Net-(Q2-D) on Bottom: 79.17,17.04 79.17,14.93 78.54,14.42 76.58,14.42 76.3,14.12 76.3,12.26 74.5,12.26 74.5,13.08 72.9,13.08 72.54,13.43 72.54,14.47 71.22,14.45 71.22,15.84 71.75,16.28 71.75,17.98 72.8,17.98 72.8,16.2 72.77,14.98 73.08,14.65 74.42,14.65 74.93,15.13 74.93,17.01

Small or netless copper shapes (teardrops, artwork), in the pictures only: 1 on Top

## Text on the board
B.Silkscreen: BOOT | RST | 10_NOV_IT_BOLOGNA / 11_NOV_IT_VENEZIA / 13_NOV_DE_BOCHUM / 14_NOV_NL_ENSCHEDE / 15_NOV_NL_TILBURG / 16_NOV_DE_HAMBURG / 17_NOV_DK_COPENHAGEN / 18_NOV_SE_GOTHENBURG / 19_NOV_SE_STOCKHOLM / 20_NOV_NO_OSLO / 22_NOV_PL_POZNAN / 23_NOV_DE_LEIPZIG / 24_NOV_CZ_PRAGUE / 25_NOV_HU_BUDAPEST | 26_NOV_SL_LJUBLJANA / 27_NOV_DE_MUNICH / 28_NOV_DE_STUTTGART / 30_NOV_CH_WINTERTHUR / 01_DEC_CH_LUCERNE / 02_DEC_IT_TORINO | Afonso Muralha 2k23 | afonsomuralha.tech | o afonsomuralha1 | MASTER BOOT RECORD / EU TOUR 2023
